# Altium PCB cat.PcbDoc (part 2 of 3) (continued)
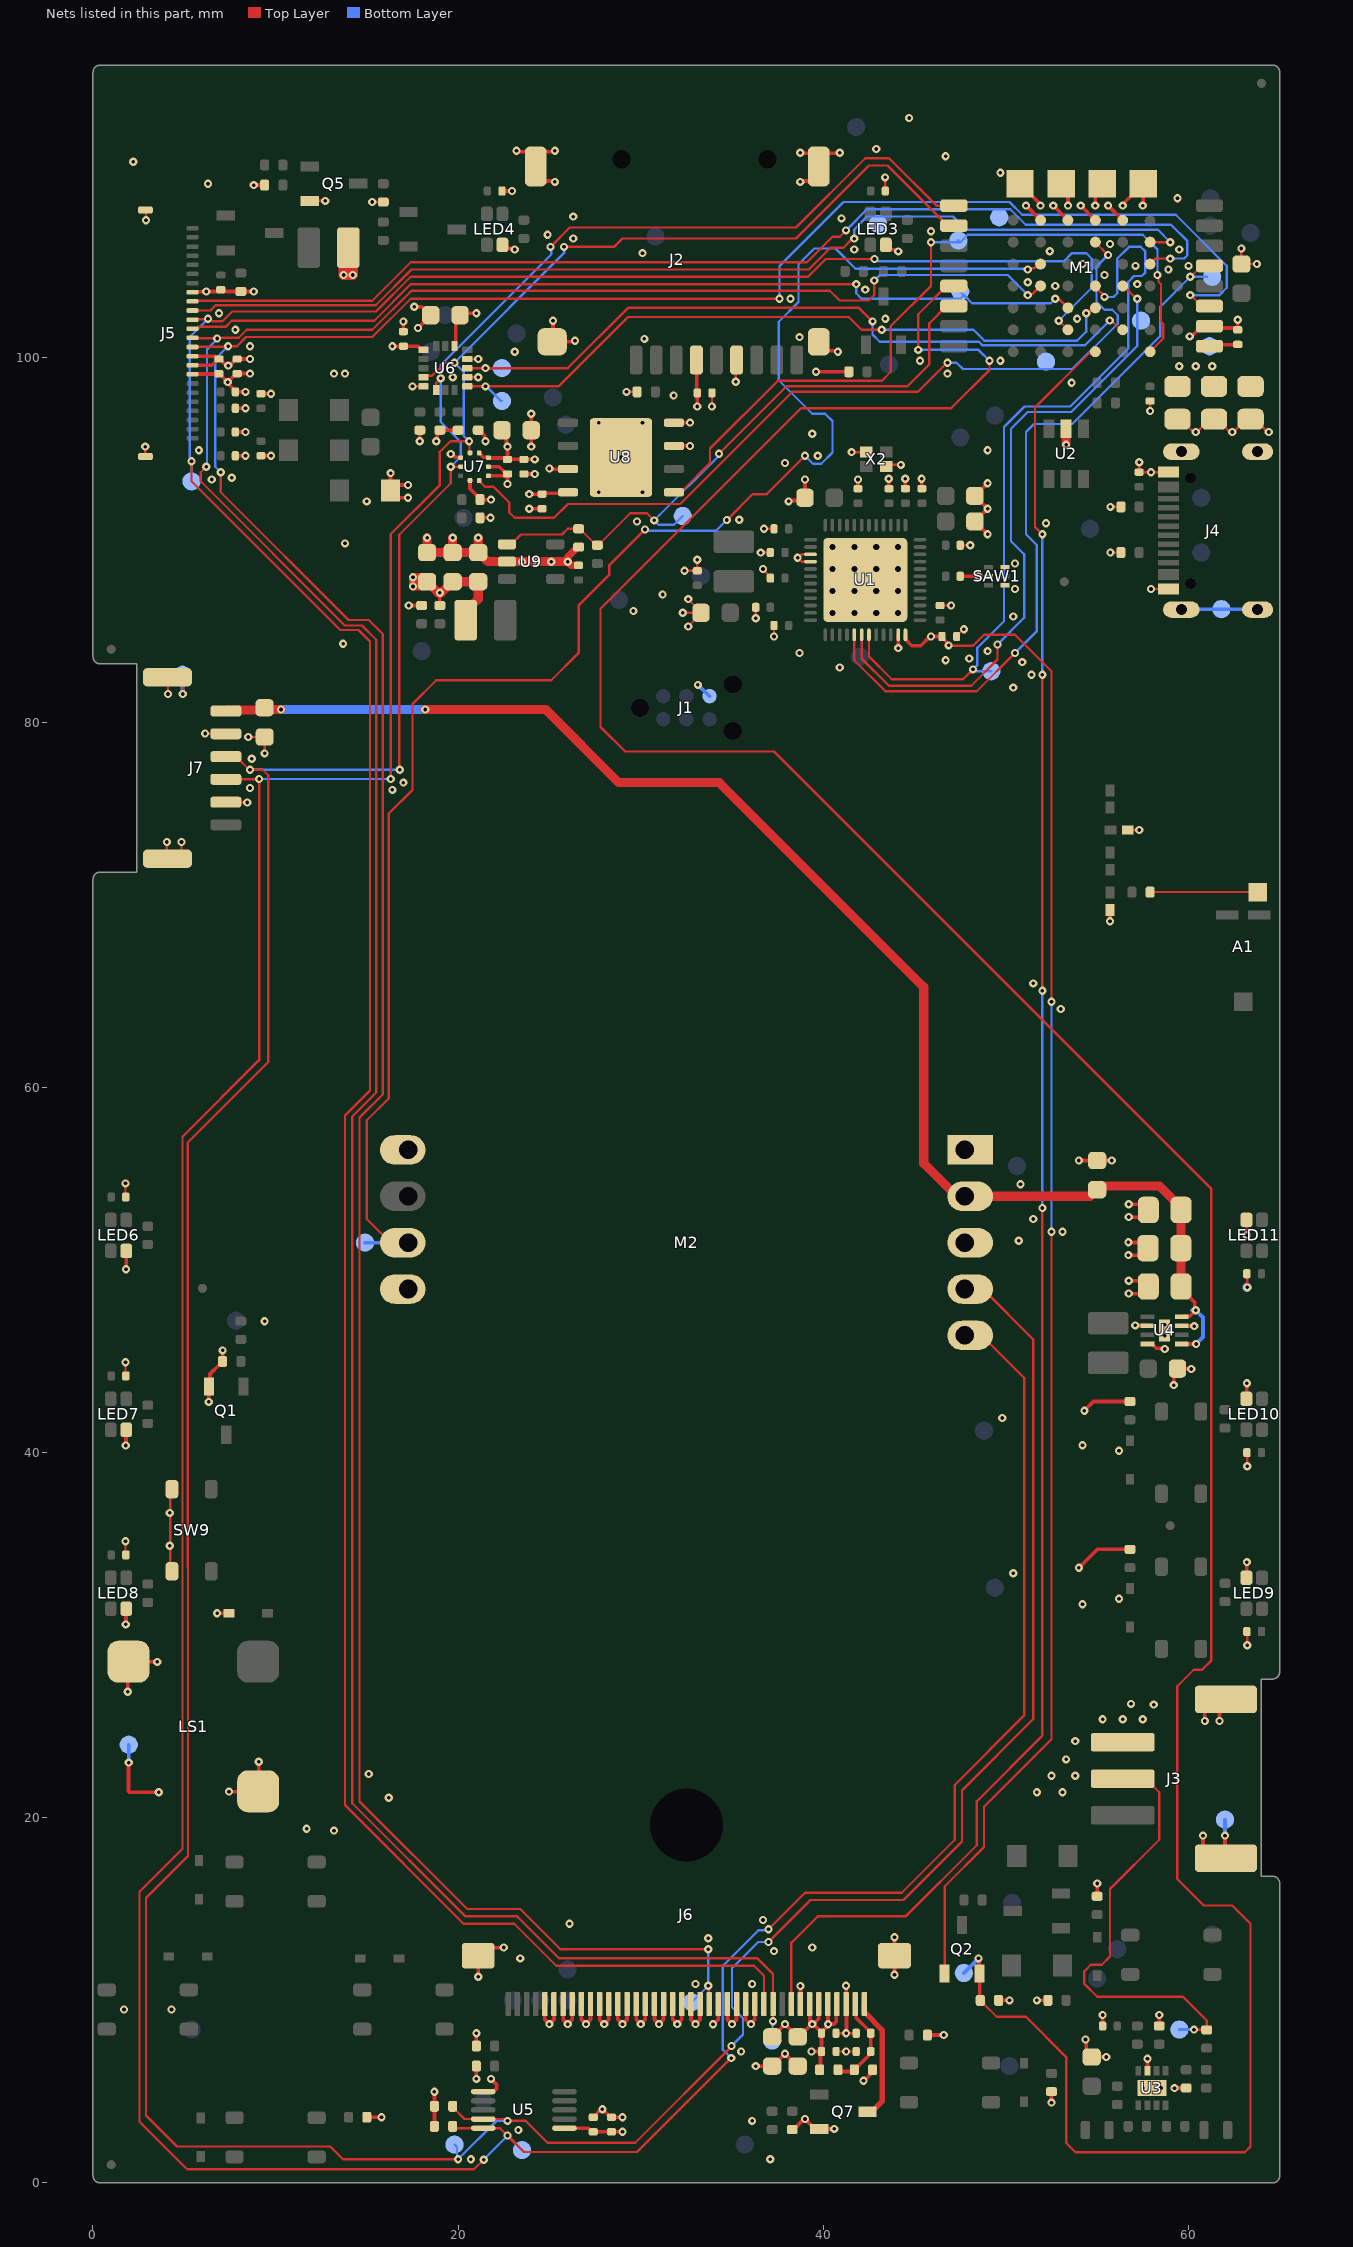
[diagram p4: the nets of this part, all layers, seen from the top]
## Part data (continued)
R19: "6.8 kΩ, 0402 Chip resistor", Case Code (Imperial)=0402, Case Code (Metric)=1005, Manufacturer=Yageo, Max Operating Temperature=155°C, Max Power Dissipation=63mW, Min Operating Temperature=-55°C, Package Quantity=1, Resistance Tolerance=1%, Resistor Type="Thick Film", Supplier Part Number 1=311-6.80KLRTR-ND, Temperature Coefficient=100ppm/°C, Voltage Rating=50V, Case/Package=0402, Category="Chip SMD Resistors", ComponentLink1Description=https://datasheet.ciiva.com/11819/0900766b80c66297-11819535.pdf?src-supplier=Rs, ComponentLink1URL=https://datasheet.ciiva.com/11819/0900766b80c66297-11819535.pdf?src-supplier=Rs, ComponentLink2Description=https://datasheet.ciiva.com/2453/pyu-r-int-thick-7-2453500.pdf?src-supplier=Digikey, ComponentLink2URL=https://datasheet.ciiva.com/2453/pyu-r-int-thick-7-2453500.pdf?src-supplier=Digikey, ComponentLink3Description=https://datasheet.ciiva.com/2453/pyu-r-int-thick-7-2453501.pdf?src-supplier=Digikey, ComponentLink3URL=https://datasheet.ciiva.com/2453/pyu-r-int-thick-7-2453501.pdf?src-supplier=Digikey, ComponentLink4Description=https://datasheet.ciiva.com/2453/pyu-r-int-thick-7-2453499.pdf?src-supplier=Digikey, ComponentLink4URL=https://datasheet.ciiva.com/2453/pyu-r-int-thick-7-2453499.pdf?src-supplier=Digikey, ComponentLink5Description=https://datasheet.ciiva.com/12668/pyu-rc0402-51-rohs-l-6-r-12668201.pdf?src-supplier=Mouser, ComponentLink5URL=https://datasheet.ciiva.com/12668/pyu-rc0402-51-rohs-l-6-r-12668201.pdf?src-supplier=Mouser, ComponentLink6Description=https://datasheet.ciiva.com/7850/1018594-7850078.pdf?src-supplier=Element14, ComponentLink6URL=https://datasheet.ciiva.com/7850/1018594-7850078.pdf?src-supplier=Element14, ComponentLink7Description=https://datasheet.ciiva.com/7850/1018594-7850079.pdf?src-supplier=Element14, ComponentLink7URL=https://datasheet.ciiva.com/7850/1018594-7850079.pdf?src-supplier=Element14, ComponentLink8Description=https://datasheet.ciiva.com/16741/pyu-rc0402-51-rohs-l-6-r-16741018.pdf?src-supplier=Future+Electronics, ComponentLink8URL=https://datasheet.ciiva.com/16741/pyu-rc0402-51-rohs-l-6-r-16741018.pdf?src-supplier=Future+Electronics, Construction=Rectangular, Depth=0.5mm, Features="Moisture Resistant", Height=0.016inch, house_part_number=R-6.8k-0402-1%-001, Lead Free=5697LeadFree, Length=0.039inch, Manufacturer Part Number=RC0402FR-076K8L, Military Standard=Not, Number of Terminations=2, Packaging="Tape and Reel", Pins=2, Power Rating=63mW, Pricing 1="10000=0.00261, 20000=0.00231, 30000=0.00216, 50000=0.00199, 100000=0.00179 (USD)", Reach SVHC Compliant=No, RoHS=Yes, RoHS Compliant=Yes, Series=RC, Stock 1=627630, Supplier 1=Digikey, Technology="THICK FILM", Termination=SMD/SMT, Tolerance=1%, Voltage Rating (AC)=50V, Voltage Rating (DC)=50V, Width=0.02inch
R30: "0.47Ω, 1% 0402 Chip resistor", Case Code (Imperial)=0402, Case Code (Metric)=1005, Manufacturer=Yageo, Max Operating Temperature=125°C, Max Power Dissipation=63mW, Min Operating Temperature=-55°C, Package Quantity=10000, Ratings=AEC-Q200, Resistance Tolerance=1%, Resistor Type="Thick Film", Supplier Part Number=1074735, Temperature Coefficient=800ppm/°C, Voltage Rating=100V, Case/Package=0402, Category="Chip SMD Resistors", ComponentLink1Description=https://datasheet.ciiva.com/7850/486242-7850272.pdf?src-supplier=Element14, ComponentLink1URL=https://datasheet.ciiva.com/7850/486242-7850272.pdf?src-supplier=Element14, ComponentLink2Description=https://datasheet.ciiva.com/15328/pyu-rl-521-rohs-l-5-15328970.pdf?src-supplier=Mouser, ComponentLink2URL=https://datasheet.ciiva.com/15328/pyu-rl-521-rohs-l-5-15328970.pdf?src-supplier=Mouser, Features="Moisture Resistant,Automotive AEC-Q200", Height=0.35mm, Lead Free="Lead Free", Length=1mm, Manufacturer Part Number=RL0402FR-070R47L, Number of Terminations=2, Packaging="Cut Tape", Pins=2, Power Rating=63mW, Pricing="10000=0.0251, 20000=0.0247, 30000=0.0245, 50000=0.0243, 100000=0.0237 (USD)", Reach SVHC Compliant=No, RoHS=Yes, RoHS Compliant=Yes, Series=RL, Stock=30000, Supplier="Future Electronics", Technology="THICK FILM", Termination=SMD/SMT, Tolerance=1%, Voltage Rating (DC)=100V, Weight=2.3E-05oz, Width=0.5mm
R33 R34: "10 Ω, 0402 Chip resistor", Case Code (Imperial)=0402, Case Code (Metric)=1005, Manufacturer=Yageo, Max Operating Temperature=155°C, Max Power Dissipation=63mW, Min Operating Temperature=-55°C, Package Quantity=1, Power Rating=62.5mW, Resistance Tolerance=5%, Resistor Type="Thick Film", Supplier Part Number 1=4524278, Temperature Coefficient=200ppm/°C, Voltage Rating=50V, Case/Package=0402, Category="Chip SMD Resistors", ComponentLink1Description=https://datasheet.ciiva.com/7983/1018594-7983543.pdf?src-supplier=Element14, ComponentLink1URL=https://datasheet.ciiva.com/7983/1018594-7983543.pdf?src-supplier=Element14, ComponentLink2Description=https://datasheet.ciiva.com/7850/1018594-7850138.pdf?src-supplier=Element14, ComponentLink2URL=https://datasheet.ciiva.com/7850/1018594-7850138.pdf?src-supplier=Element14, ComponentLink3Description=https://datasheet.ciiva.com/7850/1018594-7850139.pdf?src-supplier=Element14, ComponentLink3URL=https://datasheet.ciiva.com/7850/1018594-7850139.pdf?src-supplier=Element14, ComponentLink4Description=https://datasheet.ciiva.com/2452/pyu-r-int-thick-7-2452632.pdf?src-supplier=Digikey, ComponentLink4URL=https://datasheet.ciiva.com/2452/pyu-r-int-thick-7-2452632.pdf?src-supplier=Digikey, ComponentLink5Description=https://datasheet.ciiva.com/2452/pyu-r-int-thick-7-2452633.pdf?src-supplier=Digikey, ComponentLink5URL=https://datasheet.ciiva.com/2452/pyu-r-int-thick-7-2452633.pdf?src-supplier=Digikey, ComponentLink6Description=https://datasheet.ciiva.com/2452/pyu-r-int-thick-7-2452634.pdf?src-supplier=Digikey, ComponentLink6URL=https://datasheet.ciiva.com/2452/pyu-r-int-thick-7-2452634.pdf?src-supplier=Digikey, ComponentLink7Description=https://datasheet.ciiva.com/16741/pyu-rc0402-51-rohs-l-6-r-16741085.pdf?src-supplier=Future+Electronics, ComponentLink7URL=https://datasheet.ciiva.com/16741/pyu-rc0402-51-rohs-l-6-r-16741085.pdf?src-supplier=Future+Electronics, Construction=Rectangular, Depth=0.5mm, Features="Moisture Resistant", Height=0.016inch, house_part_number=R-10-0402-1%-001, Lead Free="Lead Free", Length=0.039inch, Manufacturer Part Number=RC0402JR-0710RL, Military Standard=Not, Number of Terminations=2, Packaging="Tape and Reel", Pricing="10000=0.0011, 50000=0.001, 200000=0.001, 500000=0.001, 1250000=0.0009 (USD)", Reach SVHC Compliant=No, RoHS=Yes, RoHS Compliant=Yes, Series=RC, Stock=60000, Supplier 1="Future Electronics", Technology="THICK FILM", Termination=SMD/SMT, Tolerance=5%, Voltage Rating (AC)=50V, Width=0.02inch, Working Voltage=50V
R35: "27 Ω, 0402 Chip resistor", Manufacturer="Stackpole Electronics", Max Operating Temperature=155°C, Min Operating Temperature=-55°C, Package Height=0.3mm, Package Length=1mm, Package Shape=Rectangular, Package Style=SMTMeter, Package Width=0.5mm, Rated Power Dissipation (P)=63mW, Rated Temperature=70°C, Resistance=27Ω, Resistor Type="FIXED RESISTOR", Supplier Part Number 1=RMCF0402FT27R0CT-ND, Temperature Coefficient=100ppm/°C, Tolerance=1%, Working Voltage=50V, Category="Chip SMD Resistors", ComponentLink1Description=https://datasheet.ciiva.com:443/pdfs/VipMasterIC/IC/SEIE/SEIE-S-A0009541969/SEIE-S-A0009541969-1.pdf?src-supplier=IHS+Markit, ComponentLink1URL=https://datasheet.ciiva.com:443/pdfs/VipMasterIC/IC/SEIE/SEIE-S-A0009541969/SEIE-S-A0009541969-1.pdf?src-supplier=IHS+Markit, ComponentLink2Description=https://www.seielect.com/catalog/SEI-RMCF_RMCP.pdf?src-supplier=Avnet, ComponentLink2URL=https://www.seielect.com/catalog/SEI-RMCF_RMCP.pdf?src-supplier=Avnet, ComponentLink3Description=https://www.seielect.com/catalog/sei-rmcf_rmcp.pdf?src-supplier=Digi-Key, ComponentLink3URL=https://www.seielect.com/catalog/sei-rmcf_rmcp.pdf?src-supplier=Digi-Key, ComponentLink4Description=http://www.seielect.com/Catalog/SEI-RMCF_RMCP.pdf?src-supplier=Digi-Key, ComponentLink4URL=http://www.seielect.com/Catalog/SEI-RMCF_RMCP.pdf?src-supplier=Digi-Key, Construction=Rectangular, house_part_number=R-27-0402-1%-001, JESD-609 Code=e3, Manufacturer Part Number=RMCF0402FT27R0, Mount="Surface Mount", Number of Pins=2, Packaging="Tape and Reel", Pricing 1="1=0.10000, 10=0.01500, 100=0.00610, 1000=0.00274, 2500=0.00238, 5000=0.00197 (USD)", REACH SVHC=Yes, Reference Standard=AEC-Q200, RoHS=Yes, RoHS Compliant=Yes, Size Code=0402, Stock 1=3710, Supplier 1=Digi-Key, Technology="METAL GLAZE/THICK FILM", Terminal Finish=Nickel, Termination=Wraparound
R43: "442 kΩ, 0402 Chip resistor", Case Code (Imperial)=0402, Case Code (Metric)=1005, Manufacturer=Yageo, Max Operating Temperature=155°C, Max Power Dissipation=63mW, Min Operating Temperature=-55°C, Package Quantity=1, Power Rating=62.5mW, Supplier Part Number 1=1075035, Temperature Coefficient=100ppm/°C, Tolerance=1%, Voltage Rating=50V, Case/Package=0402, Category="Chip SMD Resistors", ComponentLink1Description=https://datasheet.ciiva.com/2453/pyu-r-int-thick-7-2453668.pdf?src-supplier=Digikey, ComponentLink1URL=https://datasheet.ciiva.com/2453/pyu-r-int-thick-7-2453668.pdf?src-supplier=Digikey, ComponentLink2Description=https://datasheet.ciiva.com/2453/pyu-r-int-thick-7-2453667.pdf?src-supplier=Digikey, ComponentLink2URL=https://datasheet.ciiva.com/2453/pyu-r-int-thick-7-2453667.pdf?src-supplier=Digikey, ComponentLink3Description=https://datasheet.ciiva.com/2453/pyu-r-int-thick-7-2453669.pdf?src-supplier=Digikey, ComponentLink3URL=https://datasheet.ciiva.com/2453/pyu-r-int-thick-7-2453669.pdf?src-supplier=Digikey, ComponentLink4Description=https://datasheet.ciiva.com/8885/pyu-rc0402-51-rohs-l-6-8885693.pdf?src-supplier=Avnet, ComponentLink4URL=https://datasheet.ciiva.com/8885/pyu-rc0402-51-rohs-l-6-8885693.pdf?src-supplier=Avnet, Construction=Rectangular, Contact Plating=Tin,Lead, Depth=0.5mm, Features="Moisture Resistant", Height=0.016inch, house_part_number=R-442k-0402-1%-001, Length=1mm, Manufacturer Part Number=RC0402FR-07442KL, Military Standard=Not, Number of Terminations=2, Packaging="Tape and Reel", Pricing="10000=0.0012, 50000=0.0011, 250000=0.001, 500000=0.001, 1500000=0.0009 (USD)", RoHS=Yes, RoHS Compliant=Yes, Series=RC, Stock=40000, Supplier 1="Future Electronics", Termination=SMD/SMT, Voltage Rating (DC)=50V, Width=0.02inch
SAW1: library part LFD182G45DCJD247, "Murata Manufacturing Co., Ltd. SMD", Manufacturer=Murata, Supplier Part Number=81-LFD182G45DCJD247, Category=LDO, Manufacturer Part Number=LFD182G45DCJD247, Pricing="1=0.47, 10=0.332, 50=0.332, 100=0.308, 1000=0.217, 10000=0.192 (USD)", RoHS=No, Stock=11421, Supplier=Mouser
SW1 SW2 SW3 SW4 SW5 SW6 SW7 SW8 SW9: library part PTS815SJK250SMTRLFS, "Surface Mount Tactile Switch, Momentary SPST-NO 50mA 12VDC, 250gf, 4.2x3.2mm", Contact Resistance=100mR, Manufacturer="ITT C&K", Max Operating Temperature=70°C, Min Operating Temperature=-20°C, Operating Force=250gf, Ratings=IP40, Supplier Part Number=CKN12216-1-ND, Category="Tactile Switches", ComponentLink1Description=http://datasheet.octopart.com/PTS815SJK250SMTRLFS-C%26K-Components-datasheet-130077068.pdf?src-supplier=Digikey, ComponentLink1URL=http://datasheet.octopart.com/PTS815SJK250SMTRLFS-C%26K-Components-datasheet-130077068.pdf?src-supplier=Digikey, ComponentLink2Description=http://datasheet.octopart.com/PTS815SJK250SMTRLFS-C%26K-Components-datasheet-130077068.pdf?src-supplier=Newark, ComponentLink2URL=http://datasheet.octopart.com/PTS815SJK250SMTRLFS-C%26K-Components-datasheet-130077068.pdf?src-supplier=Newark, ComponentLink3Description=http://datasheet.octopart.com/PTS815SJK250SMTRLFS-C%26K-Components-datasheet-130077068.pdf?src-supplier=Mouser, ComponentLink3URL=http://datasheet.octopart.com/PTS815SJK250SMTRLFS-C%26K-Components-datasheet-130077068.pdf?src-supplier=Mouser, ComponentLink4Description=http://datasheet.octopart.com/PTS815SJK250SMTRLFS-C%26K-Components-datasheet-130077068.pdf?src-supplier=Verical, ComponentLink4URL=http://datasheet.octopart.com/PTS815SJK250SMTRLFS-C%26K-Components-datasheet-130077068.pdf?src-supplier=Verical, ComponentLink5Description=http://datasheet.octopart.com/PTS815SJK250SMTRLFS-C%26K-Components-datasheet-130077068.pdf?src-supplier=Future+Electronics, ComponentLink5URL=http://datasheet.octopart.com/PTS815SJK250SMTRLFS-C%26K-Components-datasheet-130077068.pdf?src-supplier=Future+Electronics, ComponentLink6Description=http://datasheet.octopart.com/PTS815SJK250SMTRLFS-C%26K-Components-datasheet-130077068.pdf?src-supplier=Onlinecomponents.com, ComponentLink6URL=http://datasheet.octopart.com/PTS815SJK250SMTRLFS-C%26K-Components-datasheet-130077068.pdf?src-supplier=Onlinecomponents.com, ComponentLink7Description=http://datasheet.octopart.com/PTS815SJK250SMTRLFS-C%26K-Components-datasheet-130077068.pdf?src-supplier=Avnet, ComponentLink7URL=http://datasheet.octopart.com/PTS815SJK250SMTRLFS-C%26K-Components-datasheet-130077068.pdf?src-supplier=Avnet, ComponentLink8Description=http://datasheet.octopart.com/PTS815SJK250SMTRLFS-C%26K-Components-datasheet-130077068.pdf?src-supplier=Allied+Electronics, ComponentLink8URL=http://datasheet.octopart.com/PTS815SJK250SMTRLFS-C%26K-Components-datasheet-130077068.pdf?src-supplier=Allied+Electronics, ComponentLink9Description=http://datasheet.octopart.com/PTS815SJK250SMTRLFS-C%26K-Components-datasheet-130077068.pdf?src-supplier=Electro+Sonic, ComponentLink9URL=http://datasheet.octopart.com/PTS815SJK250SMTRLFS-C%26K-Components-datasheet-130077068.pdf?src-supplier=Electro+Sonic, ComponentLink10Description=http://datasheet.octopart.com/PTS815SJK250SMTRLFS-C%26K-Components-datasheet-130077068.pdf?src-supplier=NAC+Semi, ComponentLink10URL=http://datasheet.octopart.com/PTS815SJK250SMTRLFS-C%26K-Components-datasheet-130077068.pdf?src-supplier=NAC+Semi, ComponentLink11Description=http://datasheet.octopart.com/PTS815SJK250SMTRLFS-C%26K-Components-datasheet-130077068.pdf?src-supplier=LCSC, ComponentLink11URL=http://datasheet.octopart.com/PTS815SJK250SMTRLFS-C%26K-Components-datasheet-130077068.pdf?src-supplier=LCSC, ComponentLink12Description=http://datasheet.octopart.com/PTS815SJK250SMTRLFS-C%26K-Components-datasheet-130077068.pdf?src-supplier=TTI, ComponentLink12URL=http://datasheet.octopart.com/PTS815SJK250SMTRLFS-C%26K-Components-datasheet-130077068.pdf?src-supplier=TTI, ComponentLink13Description=http://datasheet.octopart.com/PTS815SJK250SMTRLFS-C%26K-Components-datasheet-130077068.pdf?src-supplier=Sager+Electronics, ComponentLink13URL=http://datasheet.octopart.com/PTS815SJK250SMTRLFS-C%26K-Components-datasheet-130077068.pdf?src-supplier=Sager+Electronics, ComponentLink14Description=https://datasheet.octopart.com/PTS815SJK250SMTRLFS-C%26K-Components-datasheet-166147782.pdf?src-supplier=TME, ComponentLink14URL=https://datasheet.octopart.com/PTS815SJK250SMTRLFS-C%26K-Components-datasheet-166147782.pdf?src-supplier=TME, Illumination Type=Non-Illuminated, Manufacturer Part Number=PTS815SJK250SMTRLFS, Mechanical Life=50000Cycles, Mounting Technology="Surface Mount", Number of Positions=2NUMBER, Packaging="Cut Tape", Pricing="1=0.26, 10=0.209, 25=0.1928, 100=0.1701, 250=0.1564, 500=0.14674, 1000=0.13758 (USD)", RoHS=Yes, Series=PTS815, Stock=20870, Supplier=Digikey, Switch Function=Off-Mom, Switch Travel=0.2mm, Throw Configuration=SPST
TP1 TP2 TP3 TP4 TP5 TP6 TP7 TP8 TP9 TP10 TP11 TP12 TP13 TP14 TP15 TP20 TP21 TP22 TP23 TP24 TP25 TP26 TP29 TP30 TP33 TP34 TP35 TP36 TP37 TP38 TP39 TP40 TP41 TP42 TP43 TP44 TP45 TP46 TP47 TP48 TP49 TP50 TP51 TP52 TP53 TP54 TP55 TP56 TP57 TP58 TP59 TP60 TP61 TP62: "Test point", pickable=no
TP16 TP17 TP18 TP19 TP27 TP28 TP31 TP32: library part test_point-1, "Test point", pickable=no
U1: library part NRF7002-QFAA-R, "Wi-Fi 6 Module IEEE 802.11a/b/g/n/ac/ax DSSS/CCK/HT 2.4GHz/5GHz 86Mbps 48-Pin QFN EP T/R", Manufacturer="Nordic Semiconductor", Supplier Part Number=70AK6756, Manufacturer Part Number=NRF7002-QFAA-R, Pricing="1=5.13, 10=4.94, 25=4.75, 50=4.56, 100=4.37, 250=4.09, 500=3.8, 1000=3.47 (USD)", RoHS=No, Stock=8361, Supplier=Newark
U2: library part SRV05-4A, "TVS DIODE ARRAY SOT23-6", Breakdown Voltage=6V, Capacitance=3.5pF, Case/Package=SOT-23-6, Clamping Voltage=17V, Leakage Current=150nA, Manufacturer="SMC Diodes", Max Operating Temperature=125°C, Min Operating Temperature=-40°C, Operating Supply Voltage=1.1V, Package Quantity=3000, Peak Pulse Current=5A, Power Line Protection=Yes, Reverse Standoff Voltage=5.25V, Supplier Part Number 1=C260410, Test Current=1mA, Working Voltage=5V, Category="TVS Diodes", Clamping Voltage-Max=17V, ComponentLink1Description=https://datasheet.ciiva.com/1268/1690354-1268384.pdf?src-supplier=Element14, ComponentLink1URL=https://datasheet.ciiva.com/1268/1690354-1268384.pdf?src-supplier=Element14, ComponentLink2Description=https://datasheet.ciiva.com/4508/cd00050750-113117-4508433.pdf?src-supplier=Mouser, ComponentLink2URL=https://datasheet.ciiva.com/4508/cd00050750-113117-4508433.pdf?src-supplier=Mouser, ComponentLink3Description=https://datasheet.ciiva.com/15143/getdatasheetpartid-148465-15143789.pdf?src-supplier=Verical, ComponentLink3URL=https://datasheet.ciiva.com/15143/getdatasheetpartid-148465-15143789.pdf?src-supplier=Verical, ComponentLink4Description=https://datasheet.ciiva.com/16200/cd00050750-16200026.pdf?src-supplier=Future+Electronics, ComponentLink4URL=https://datasheet.ciiva.com/16200/cd00050750-16200026.pdf?src-supplier=Future+Electronics, ComponentLink5Description=https://datasheet.ciiva.com/41444/001184109-da-01-en-ic-esd-protecti-usblc6-2sc6-sot-23-6-stm-41444156.pdf?src-supplier=Conrad, ComponentLink5URL=https://datasheet.ciiva.com/41444/001184109-da-01-en-ic-esd-protecti-usblc6-2sc6-sot-23-6-stm-41444156.pdf?src-supplier=Conrad, Contact Plating=Tin,Matte, Data Rate=480Mbps, Depth=1.75mm, Direction=Unidirectional,Bidirectional, Element Configuration=Dual, ESD Protection=Yes, Height=1.3mm, house_part_number=SRV05-4A, Lead Free="Lead Free", Length=3.05mm, Manufacturer Part Number=SRV05-4A, Max Breakdown Voltage=6V, Max Reverse Leakage Current=150nA, Min Breakdown Voltage=6V, Mount="Surface Mount", Number of Bidirectional Channels=2, Number of Channels=2, Number of Elements=1, Number of Pins=6, Packaging="Tape and Reel", Polarity=Unidirectional,Bidirectional, Pricing="3000=0,05640 (USD)", Radiation Hardening=No, REACH SVHC="No SVHC", Reverse Breakdown Voltage=6V, RoHS=Yes, RoHS Compliant=Yes, Series=USB, Stock=12000, Supplier 1=LCSC, Termination=SMD/SMT, Width=1.75mm
U3: library part LGS4056H, "Battery Charger, DFN-8(2x2)", Case/Package=DFN-8(2x2), Manufacturer Part Number=LGS4056HDA, Package=DFN-8, Supplier Part Number 1=C5124109, house_part_number=LGS4056HDA, Supplier 1=LCSC
U4: library part MIC2876-5.0YMT-TR, "5V Synchronous Boost, UDFN-8", Case/Package=UDFN-8, Manufacturer=Microchip, Max Operating Temperature=125°C, Max Supply Voltage=5.5V, Min Input Voltage=2.5V, Min Operating Temperature=-40°C, Min Output Voltage=5V, Output Current=3.8A, Supplier Part Number=150-MIC2876-5.0YMT-TRCT-ND, Switching Frequency=2MHz, Category="Voltage Regulators - Switching", ComponentLink1Description=http://www.microchip.com/mymicrochip/filehandler.aspx?ddocname=en580787&src-supplier=Digikey, ComponentLink1URL=http://www.microchip.com/mymicrochip/filehandler.aspx?ddocname=en580787&src-supplier=Digikey, ComponentLink2Description=https://datasheet.octopart.com/MIC2876-5.0YMT-TR-Microchip-datasheet-175858781.pdf?src-supplier=Electro+Sonic, ComponentLink2URL=https://datasheet.octopart.com/MIC2876-5.0YMT-TR-Microchip-datasheet-175858781.pdf?src-supplier=Electro+Sonic, ComponentLink3Description=https://datasheet.octopart.com/MIC2876-5.0YMT-TR-Microchip-datasheet-175858781.pdf?src-supplier=microchipDIRECT, ComponentLink3URL=https://datasheet.octopart.com/MIC2876-5.0YMT-TR-Microchip-datasheet-175858781.pdf?src-supplier=microchipDIRECT, ComponentLink4Description=https://datasheet.octopart.com/MIC2876-5.0YMT-TR-Microchip-datasheet-175858781.pdf?src-supplier=Master+Electronics, ComponentLink4URL=https://datasheet.octopart.com/MIC2876-5.0YMT-TR-Microchip-datasheet-175858781.pdf?src-supplier=Master+Electronics, ComponentLink5Description=https://datasheet.octopart.com/MIC2876-5.0YMT-TR-Microchip-datasheet-86810323.pdf?src-supplier=SHENGYU+ELECTRONICS, ComponentLink5URL=https://datasheet.octopart.com/MIC2876-5.0YMT-TR-Microchip-datasheet-86810323.pdf?src-supplier=SHENGYU+ELECTRONICS, ComponentLink6Description=https://datasheet.octopart.com/MIC2876-5.0YMT-TR-Microchip-datasheet-142675560.pdf?src-supplier=TME, ComponentLink6URL=https://datasheet.octopart.com/MIC2876-5.0YMT-TR-Microchip-datasheet-142675560.pdf?src-supplier=TME, Manufacturer Part Number=MIC2876-5.0YMT-TR, Mounting Technology="Surface Mount", Number of Outputs=1, Output Configuration=Positive, Output Type=Fixed, Packaging="Tape and Reel", Pricing="1=0.97, 25=0.8, 100=0.73, 5000=0.73 (USD)", RoHS=Yes, RoHS Compliant=Yes, Series=-, Stock=6514, Supplier=Digikey, Synchronous Rectifier=No, Topology=Boost
U5: library part NS2009, Case/Package=MSOP-10, Manufacturer=NSIWAY, Supplier Part Number 1=C219024, house_part_number=NS2009, Manufacturer Part Number=NS2009, Supplier 1=LCSC
U6: library part LIS3DHTR, "3-Axis accelerometer, 16-bit, I2C/SPI, LGA-16", Case/Package=LGA-16, Manufacturer=STMicroelectronics, Max Operating Temperature=85°C, Max Supply Voltage=3.6V, Min Operating Temperature=-40°C, Min Supply Voltage=1.71V, Operating Supply Current=11uA, Operating Supply Voltage=2.5V, Package Quantity=4000, Supplier Part Number 1=C15134, Axis="X, Y, Z", Bandwidth=5kHz, Category=Accelerometers, ComponentLink1Description=https://datasheet.ciiva.com/7621/1718591-7621744.pdf?src-supplier=Element14, ComponentLink1URL=https://datasheet.ciiva.com/7621/1718591-7621744.pdf?src-supplier=Element14, ComponentLink2Description=https://datasheet.ciiva.com/5296/cd00274221-117431-5296513.pdf?src-supplier=Mouser, ComponentLink2URL=https://datasheet.ciiva.com/5296/cd00274221-117431-5296513.pdf?src-supplier=Mouser, ComponentLink3Description=https://datasheet.ciiva.com/2810/cd00274221-2810009.pdf?src-supplier=Digikey, ComponentLink3URL=https://datasheet.ciiva.com/2810/cd00274221-2810009.pdf?src-supplier=Digikey, ComponentLink4Description=https://datasheet.ciiva.com/2810/cd00274221-2810008.pdf?src-supplier=Digikey, ComponentLink4URL=https://datasheet.ciiva.com/2810/cd00274221-2810008.pdf?src-supplier=Digikey, ComponentLink5Description=https://datasheet.ciiva.com/2810/cd00274221-2810010.pdf?src-supplier=Digikey, ComponentLink5URL=https://datasheet.ciiva.com/2810/cd00274221-2810010.pdf?src-supplier=Digikey, ComponentLink6Description=https://datasheet.ciiva.com/48495/cd00274221-48495849.pdf?src-supplier=Avnet, ComponentLink6URL=https://datasheet.ciiva.com/48495/cd00274221-48495849.pdf?src-supplier=Avnet, ComponentLink7Description=https://datasheet.ciiva.com/3271/cd00274221-3271807.pdf?src-supplier=Avnet, ComponentLink7URL=https://datasheet.ciiva.com/3271/cd00274221-3271807.pdf?src-supplier=Avnet, ComponentLink8Description=https://datasheet.ciiva.com/16216/cd00274221-16216362.pdf?src-supplier=Future+Electronics, ComponentLink8URL=https://datasheet.ciiva.com/16216/cd00274221-16216362.pdf?src-supplier=Future+Electronics, Depth=3mm, Height=1mm, house_part_number=LIS3DHTR, Interface=I2C,SPI, Lead Free="Lead Free", Length=3mm, Manufacturer Part Number=LIS3DHTR, Max Supply Voltage (DC)=3.6V, Min Supply Voltage (DC)=1.71V, Output Type=Digital, Packaging="Tape and Reel", Pins=16, Pricing="4000=0.94095, 8000=0.92155, 16000=0.90215 (USD)", Radiation Hardening=No, Reach SVHC Compliant=No, Resolution=16b, RoHS=Yes, RoHS Compliant=Yes, Sensor Type="3 Axis", Series=-, Stock=40000, Supplier=Avnet, Supplier 1=LCSC, Supplier Part Number=LIS3DHTR, Width=3mm
U7: library part LPS22HH, "260-1260 hPa Absolute barometer, LGA-10", Manufacturer=STMicroelectronics, Package=LGA-10, Supplier Part Number 1=C2827824, Category="Pressure Sensors", ComponentLink1Description=https://datasheet.ciiva.com:443/pdfs/VipMasterIC/IC/SGST/SGST-S-A0007383744/SGST-S-A0007383744-1.pdf?src-supplier=IHS+Markit, ComponentLink1URL=https://datasheet.ciiva.com:443/pdfs/VipMasterIC/IC/SGST/SGST-S-A0007383744/SGST-S-A0007383744-1.pdf?src-supplier=IHS+Markit, ComponentLink2Description=http://www.farnell.com/datasheets/2710908.pdf?src-supplier=Farnell, ComponentLink2URL=http://www.farnell.com/datasheets/2710908.pdf?src-supplier=Farnell, ComponentLink3Description=https://www.st.com/resource/en/datasheet/lps22hh.pdf?src-supplier=Digikey, ComponentLink3URL=https://www.st.com/resource/en/datasheet/lps22hh.pdf?src-supplier=Digikey, ComponentLink4Description=https://www.st.com/resource/en/data_brief/lps22hh.pdf?src-supplier=Digikey, ComponentLink4URL=https://www.st.com/resource/en/data_brief/lps22hh.pdf?src-supplier=Digikey, ComponentLink5Description=http://www.farnell.com/datasheets/2710908.pdf?src-supplier=Newark, ComponentLink5URL=http://www.farnell.com/datasheets/2710908.pdf?src-supplier=Newark, Manufacturer Part Number=LPS22HH, Pricing 1="1=1.0244, 10=0.8712, 30=0.7877, 100=0.5824, 500=0.546, 1000=0.5304 (USD)", Reach SVHC Compliant=Yes, RoHS=Yes, RoHS Compliant=Yes, Sensor Type="PRESSURE SENSOR,PEIZORESISTIVE", Stock 1=7641, Supplier 1=LCSC
U8: library part W25Q128JVPIM, "128Mb SPI flash memory", Case/Package=WDFN-8, Frequency=133MHz, Manufacturer=Winbond, Max Operating Temperature=85°C, Min Operating Temperature=-40°C, Supplier Part Number=W25Q128JVPIM-ND, Category=Flash, ComponentLink1Description=http://www.winbond.com/resource-files/w25q128jv%20revf%2003272018%20plus.pdf?src-supplier=Digikey, ComponentLink1URL=http://www.winbond.com/resource-files/w25q128jv%20revf%2003272018%20plus.pdf?src-supplier=Digikey, ComponentLink2Description=https://datasheet.octopart.com/W25Q128JVPIQ-Winbond-datasheet-151870813.pdf?src-supplier=TECHDesign, ComponentLink2URL=https://datasheet.octopart.com/W25Q128JVPIQ-Winbond-datasheet-151870813.pdf?src-supplier=TECHDesign, Manufacturer Part Number=W25Q128JVPIM, Memory Format=Non-Volatile,FLASH, Memory Size=128Mb, Mounting Technology="Surface Mount", Packaging=Rail/Tube, Pricing="1=1.86, 10=1.328, 25=1.1948, 50=1.115, 100=1.049, 300=0.9675, 500=0.95002 (USD)", RoHS=Yes, RoHS Compliant=Yes, Series=SpiFlash®, Supplier=Digikey
U9: library part TLV62569DBVR, "Buck converter, 2.5-5.5 Vin, 0.6 - 5.5 Vout, 2A, SOT-23-5", Case/Package=SOT-23-5, Manufacturer="Texas Instruments", Max Operating Temperature=125°C, Max Output Voltage=5.5V, Min Input Voltage=2.5V, Min Operating Temperature=-40°C, Min Output Voltage=600mV, Output Current=2A, Supplier Part Number=595-TLV62569DBVR, Supplier Part Number 1=C141836, Switching Frequency=1.5MHz, Category="Voltage Regulators - Switching", ComponentLink1Description=http://www.ti.com/lit/ds/symlink/tlv62569.pdf?src-supplier=Digikey, ComponentLink1URL=http://www.ti.com/lit/ds/symlink/tlv62569.pdf?src-supplier=Digikey, ComponentLink2Description=http://www.ti.com/lit/ds/symlink/tlv62569.pdf?src-supplier=Farnell, ComponentLink2URL=http://www.ti.com/lit/ds/symlink/tlv62569.pdf?src-supplier=Farnell, house_part_number=TLV62569DBVR, Manufacturer Part Number=TLV62569DBVR, Max Supply Voltage=5.5V, Mounting Technology="Surface Mount", Output Configuration=Positive, Output Type=Adjustable, Packaging="Cut Tape", Pricing="1=0.45, 10=0.344, 50=0.344, 100=0.214, 1000=0.113, 10000=0.087 (USD)", RoHS=Yes, RoHS Compliant=Yes, Series=-, Stock=12579, Supplier=Mouser, Supplier 1=LCSC, Synchronous Rectifier=Yes
X2: library part Q40,0-JXS11-8-10/10-FU-LF, "Crystal 40.0000MHZ 8PF SMD", Manufacturer=Jauch, Supplier Part Number=1908-Q400-JXS11-8-10/10-FU-LFCT-ND, Manufacturer Part Number=Q40,0-JXS11-8-10/10-FU-LF, Pricing="1=0.79, 10=0.68, 50=0.6134, 100=0.5867, 500=0.52924, 1000=0.40109, 2000=0.3838, 3000=0.37405, 5000=0.36214, 7000=0.35452, 10000=0.35375 (USD)", RoHS=No, Stock=7747, Supplier=Digikey

## Via types
v1: diameter 0.45, hole 0.2, Top Layer to Bottom Layer, tented both sides, 556 vias
v2: diameter 0.66, hole 0.33, Top Layer to Bottom Layer, 16 vias
v3: diameter 0.45, hole 0.2, Top Layer to Bottom Layer, 7 vias

## Nets (pads, with @x,y where several pads share a name; then routed paths per layer and width w, separated by ;. In a path a pad name is that pad's centre, name@x,y a point inside that pad or via, vN(x,y) a via of type N, cw(c..) or ccw(c..) an arc to the next point about the centre after c; other vN are vias at no path point)
3.3V: C1.2 C13.2 C16.2 C23.2 C24.2 C25.2 C26.2 C29.2 C30.2 C40.2 C42.2 C43.2 C45.2 C46.2 C47.2 C68.2 C69.2 C70.2 D9.K J2.4 J5.15 J5.16 J6.34 J6.35 J6.36 J6.37 JP1.1 JP12.1 JP14.1 L4.1 L8.2 LS1.+ M2.3 M2.9 R1.1 R2.1 R3.1 R4.1 R8.1 R9.1 R33.2 R34.2 R37.2 R38.1 R43.2 U5.1 U6.1 U6.14 U7.1 U7.6 U7.10 U8.3 U8.7 U8.8 | length 68.2
  Top Layer w0.2: J5.16@5.45,99.557 6.507,99.557 6.85,99.9 6.693,100.057 J5.15@5.45,100.057 ; v1(6.8,31.2) D9.K@7.445,31.2 ; C23.2@6.9,99.9 6.95,99.9 7.265,99.585 7.365,99.585 v1(7.412,99.538) 7.46,99.585 7.535,99.585 7.85,99.9 C24.2@7.9,99.9 v1(8.6,99.9) ; v1(16.4,100.6) 16.9,100.6 C43.2@17,100.5 ; C43.2@17,100.6 17.8,100.6 18,100.4 U6.1@18.1,100.4 ; v1(18.8,95.4) 18.8,95.468 18.861,95.529 18.861,95.898 18.964,96 JP12.1@19,96 JP14.1@20,96 ; R43.2@19,86.4 v1(19,87.1) ; U6.14@19.8,100.6 19.875,100.675 19.875,102.075 C42.2@20.1,102.3 20.2,102.4 v1(21,102.4) ; U7.6@20.625,93.215 U7.6@20.65,93.24 ; U7.1@21.15,94.76 21.15,94.748 21.373,94.525 21.635,94.525 U7.10@21.66,94.5 21.685,94.475 22.625,94.475 C47.2@22.7,94.4 v1(22.7,95.1) 22.652,95.148 22.652,95.748 C45.2@22.4,96 ; R38.1@21.225,92.225 R38.1@21.2,92.2 v1(21.8,92.2) ; C45.2@22.2,96.2 C45.2@22.4,96.4 ; C47.2@22.756,94.406 23.594,94.406 C46.2@23.6,94.4 ; C46.2@23.606,94.4 v1(24.2,94.4) ; v1(23.9,92.5) C68.2@24.6,92.5 24.65,92.55 25.97,92.55 U8.8@26.02,92.6 ; v1(25,93.9) 25.03,93.87 U8.7@26.02,93.87 ; U8.3@31.82,95.14 32.693,95.14 v1(32.7,95.133) ; J2.4@33.05,99.843 33.075,99.818 33.075,98.068 C1.2@33.1,98.043 v1(33.1,97.3) ; v1(42.205,5.596) 42.232,5.596 42.7,6.064 R33.2@42.7,6.1 ; v1(52.5,4.4) R1.1@52.5,5 ; v1(54,33.7) 55,34.7 R4.1@56.8,34.7 ; v1(54.3,42.3) 54.8,42.8 R3.1@56.8,42.8
  Top Layer w0.203: v1(7.451,21.434) 7.46,21.425 9.025,21.425 LS1.+@9.05,21.45 9.075,21.475 v1(9.075,23.075) ; R9.1@18.7,3.1 R8.1@18.7,4.2 v1(18.7,5) ; C69.2@19.687,87.7 C69.2@19.7,87.7 ; U7.6@20.65,93.24 20.65,92.798 21.2,92.248 R38.1@21.2,92.2 ; JP1.1@21,7.5 v1(21,8.2) ; U5.1@25.825,3 27.15,3 27.35,2.8 C13.2@27.4,2.8 C16.2@28.4,2.8 v1(29,2.8) ; C26.2@37.2,8 37.213,8 v1@37.9,8.687 ; v1@37.9,8.767 v1(37.9,8.7) v1@37.9,8.688 ; J6.34@39.25,9.8 39.276,9.774 39.276,8.872 39.344,8.805 39.344,8.756 v1(39.4,8.7) 39.45,8.7 C29.2@39.9,8.25 ; v1@39.334,8.69 39.334,8.671 38.663,8 C25.2@38.6,8 38.588,8 v1@37.9,8.688 ; v1(39.35,7.2) C30.2@39.9,7.2 ; v1@39.457,8.7 39.75,8.993 J6.35@39.75,9.8 ; v1(39.6,99.2) R37.2@41.4,99.2 ; R34.2@39.8,6.1 39.85,6.15 39.85,7.15 C30.2@39.9,7.2 ; J6.36@40.25,9.8 40.256,9.794 40.256,8.694 v1(40.262,8.688) 40.215,8.64 40.215,8.565 C29.2@39.9,8.25 ; v1@40.284,8.666 40.319,8.701 40.58,8.701 40.705,8.826 40.705,9.755 J6.37@40.75,9.8 ; R2.1@55,15.7 v1(55,16.4) ; C30.2@39.9,7.2 C29.2@39.9,8.2 C29.2@39.9,8.25
  Top Layer w0.5: v1@17.547,87.472 v1@17.547,87.914 ; v1@17.552,87.465 18.04,87.465 18.275,87.7 18.054,87.921 v1@17.553,87.921 ; C40.2@18.3,87.7 18.9,87.1 v1(19,87.1) 19.075,87.1 19.675,87.7 C69.2@19.687,87.7 ; C69.2@19.7,87.7 C70.2@21.1,87.7 ; L8.2@20.415,85.6 20.415,86.095 20.78,86.46 20.807,86.46 21.1,86.753 C70.2@21.1,87.7 ; C70.2@21.1,87.841 C70.2@21.1,87.7
  Top Layer w0.55: L4.1@13.727,105.742 v1(13.727,104.497) v1(14.227,104.497) L4.1@14.227,105.758
  other v1: 17.53,87.443 17.53,87.943
3.3V_nRF: C2.1 C3.2 C6.2 C7.2 C53.2 M1.9 Q2.1 TP1.1 U1.48 | length 85.2
  Top Layer w0.127: Q2.1@46.65,11.475 46.65,16.25 48.8,18.4 48.8,20.6 52.5,24.3 v1(52.5,52.1) ; v1(46.862,84.212) 46.875,84.2 48.2,84.2 48.8,84.8 50.5,84.8 52.5,82.8 v1(52.5,64.7)
  Top Layer w0.2: U1.48@44.5,84.8 44.5,84.55 44.85,84.2 45.341,84.2 45.841,84.7 v1(45.9,84.7) C53.2@46.5,84.7 ; C53.2@46.5,84.65 46.815,84.335 46.815,84.26 v1(46.862,84.212)
  Top Layer w0.203: M1.9@61.15,100.599 61.234,100.684 62.684,100.684 C2.1@62.7,100.7
  Bottom Layer w0.127: v1(52.5,52.1) v1(52.5,64.7)
  other v1: 59.5,99.5 60.4,99.5 61.3,99.5
+5V: C41.2 C44.2 C65.2 C66.2 C67.2 J7.1 M2.2 U4.5 U4.8 | length 79.5
  Top Layer w0.203: C66.2@59.6,49.1 59.6,48.958 60.353,48.205 60.353,47.847 v1(60.4,47.8) 60.073,47.473 59.663,47.473 U4.8@59.64,47.45 ; U4.5@59.64,45.95 U4.5@59.64,45.95 60.417,45.951 v1(60.418,45.952)
  Top Layer w0.5: J7.1@7.28,80.62 7.33,80.67 9.27,80.67 C44.2@9.4,80.8 9.5,80.7 v1(10.3,80.7) ; v1(18.2,80.7) 24.8,80.7 28.8,76.7 34.3,76.7 45.5,65.5 45.5,55.84 M2.2@47.3,54.04 ; M2.2@47.74,54.04 54.615,54.04 54.975,54.4 C41.2@55,54.4 55.2,54.6 58.421,54.6 59.6,53.421 C67.2@59.6,53.291 59.592,53.283 59.592,51.208 C65.2@59.584,51.2 59.592,51.192 59.592,49.108 C66.2@59.6,49.1
  Bottom Layer w0.203: v1@60.2,47.8 v1@60.3,47.7 ; v1@60.218,45.952 v1@60.318,46.052 ; v1(60.4,47.8) 60.8,47.4 60.8,46.334 v1(60.418,45.952)
  Bottom Layer w0.5: v1(10.3,80.7) v1(18.2,80.7)
\LCD_RESET: J6.32 M1.C6 | length 100.7
  Top Layer w0.127: J6.32@38.25,9.8 38.25,13.15 39.7,14.6 44.5,14.6 48.4,18.5 48.4,20.9 52,24.5 v1(52,53.4) ; v1(52,65.3) v1(52,82.6) ; v1(52,90.3) 51.6,90.7 51.6,97.237 54.573,100.21 54.81,100.21 M1.C6@54.9,100.3
  Bottom Layer w0.127: v1(52,53.4) v1(52,65.3) ; v1(52,82.6) v1(52,90.3)
ANTWIFI: A1.4 R22.2 | length 5.9
  Top Layer w0.119: R22.2@57.9,70.7 A1.4@63.8,70.7
BACKLIGHT_ANODE: C27.2 C28.2 J6.39 R33.1 R34.1 | length 5.3
  Top Layer w0.203: R34.1@40.8,6.1 41.7,6.1 41.834,6.234 41.834,6.323 42.502,6.991 42.502,7.102 C28.2@42.6,7.2 42.6,8.25 41.798,9.052 41.798,9.752 J6.39@41.75,9.8